# Altium PCB VCU_LAYOUT.PcbDoc (part 2 of 2)
Units mm, origin at the board's own origin, x right, y up, seen from the top; angles counter-clockwise.
Board outline 150 x 110 mm, 2 copper layers (Top Layer, Bottom Layer); 190 components, 112 nets, 718 pads, 126 vias.
Unrouted connection lines stored in the file: 281.
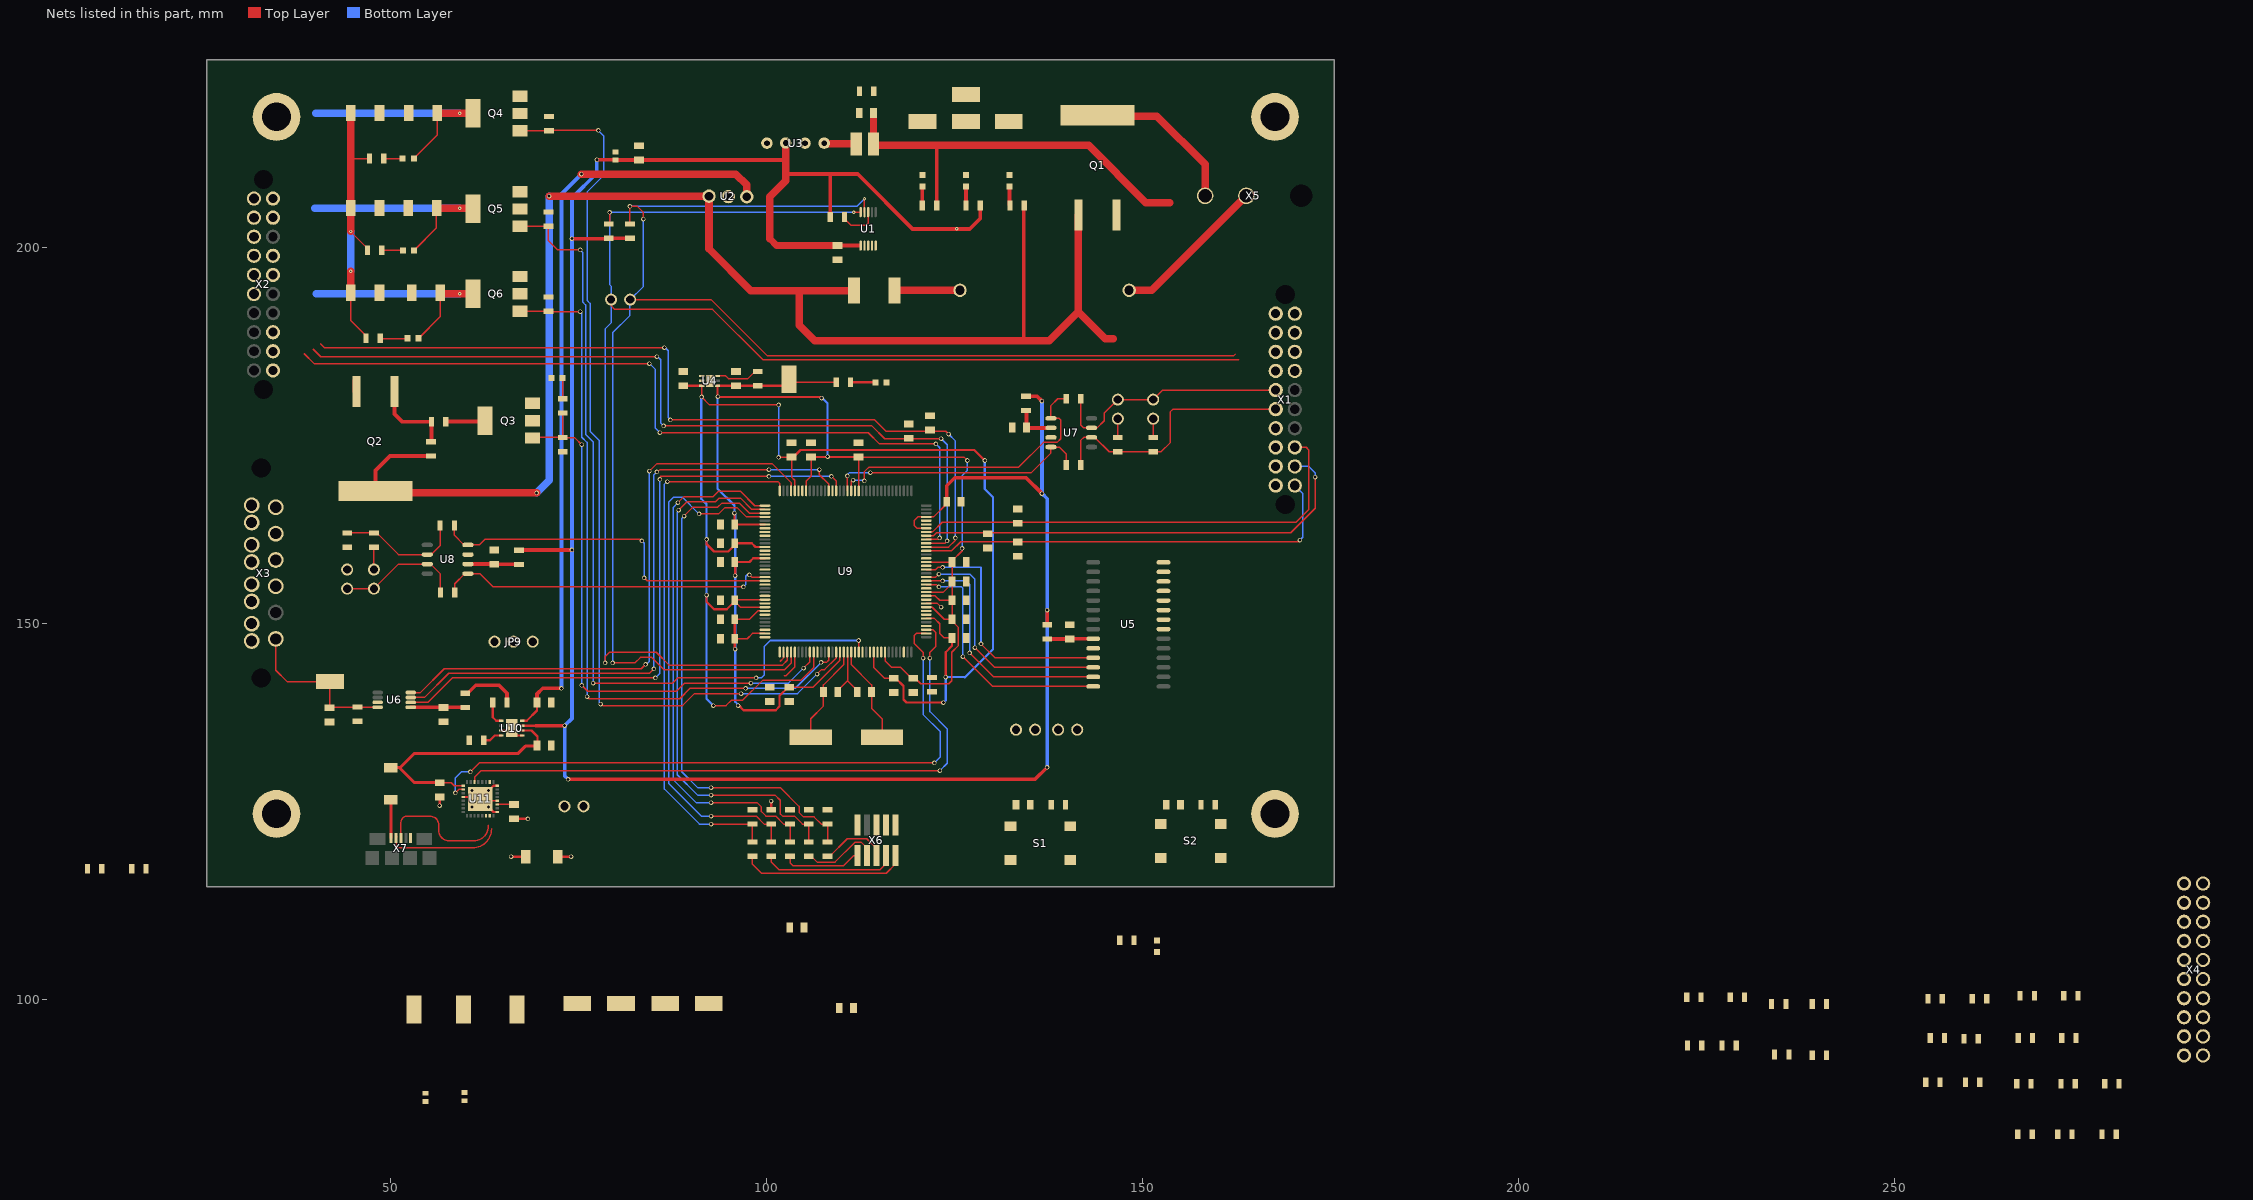
[diagram p2: the nets of this part, all layers, seen from the top]

## Part data (continued)
U9: "ARM CORTEX R4 LOCK STEP HERCULES MCU", Case/Package=LQFP, Frequency=160MHz, Manufacturer="Texas Instruments", Max Operating Temperature=125°C, Min Operating Temperature=-40°C, Supplier Part Number 1=296-47200-ND, ComponentLink1Description=http://www.ti.com/lit/pdf/spnu515, ComponentLink1URL=http://www.ti.com/lit/pdf/spnu515, ComponentLink2Description=http://www.ti.com/lit/gpn/tms570ls1224, ComponentLink2URL=http://www.ti.com/lit/gpn/tms570ls1224, ComponentLink3Description=http://www.ti.com/general/docs/lit/getliterature.tsp?genericPartNumber=TMS570LS1224&&fileType=pdf, ComponentLink3URL=http://www.ti.com/general/docs/lit/getliterature.tsp?genericPartNumber=TMS570LS1224&&fileType=pdf, Core Architecture=ARM, Density=1310720B, Interface=I2C,SPI,CAN,UART,USART,LIN,SCI,EBI/EMI, Lead Free="Lead Free", Manufacturer Part Number=TMS5701224CPGEQQ1, Max Frequency=160MHz, Memory Size=1.25MB, Memory Type=FLASH, Number of GPIO=64, Number of I/Os=64, Number of Pins=144, Number of Programmable I/O=64, Number of Timers/Counters=2, Oscillator Type=External, Packaging=Tray, Peripherals=POR,PWM,WDT,DMA, Pricing 1="1=22.12, 10=20.402, 100=17.4222, 500=15.8176 (USD)", RAM Size=192KB, Stock 1=113, Supplier 1=Digi-Key, Watchdog Timer=Yes
U10: "IC OR CTRLR SRC SELECT 8SON", Case/Package=TSSOP, Current - Output 2=1.25A, Manufacturer="Texas Instruments", Max Input Voltage=5.5V, Max Operating Temperature=85°C, Max Power Dissipation=2.5W, Max Supply Current=55uA, Min Input Voltage=2.8V, Min Operating Temperature=-40°C, On-State Resistance=150mR, Package Quantity=3000, Supplier Part Number 1=296-23394-1-ND, ComponentLink1Description=https://datasheet.ciiva.com/15109/getdatasheetpartid-221489-15109265.pdf, ComponentLink1URL=https://datasheet.ciiva.com/15109/getdatasheetpartid-221489-15109265.pdf, ComponentLink2Description=https://datasheet.ciiva.com/1960/tps2115a-1960792.pdf, ComponentLink2URL=https://datasheet.ciiva.com/1960/tps2115a-1960792.pdf, ComponentLink3Description=https://datasheet.ciiva.com/3232/tps2115a-3232536.pdf, ComponentLink3URL=https://datasheet.ciiva.com/3232/tps2115a-3232536.pdf, ComponentLink4Description=https://datasheet.ciiva.com/1960/tps2115a-1960793.pdf, ComponentLink4URL=https://datasheet.ciiva.com/1960/tps2115a-1960793.pdf, ComponentLink5Description=https://datasheet.ciiva.com/1960/tps2115a-1960794.pdf, ComponentLink5URL=https://datasheet.ciiva.com/1960/tps2115a-1960794.pdf, Lead Free="Lead Free", Manufacturer Part Number=TPS2115ADRBR, Max Output Current=1.25A, Number of Inputs=2, Number of Outputs=1, Number of Pins=8, Operating Supply Current=55uA, Operating Supply Voltage=5.5V, Output Current=1.25A, Packaging="Tape and Reel", Pricing 1="1=2.01, 10=1.801, 100=1.448, 500=1.1897, 1000=0.9857 (USD)", Radiation Hardening=No, REACH SVHC="No SVHC", Stock 1=13497, Supplier 1=Digi-Key, Turn-Off Delay Time=5ms, Turn-On Delay Time=1ms, Weight=0.000847oz
U11: library part FT232RQ-REEL, "IC USB FS SERIAL UART 32-QFN", Case/Package="QFN EP", Manufacturer=FTDI, Max Operating Temperature=85°C, Max Supply Voltage=5.25V, Min Operating Temperature=-40°C, Min Supply Voltage=3.3V, Operating Supply Current=15mA, Operating Supply Voltage=5V, Package Quantity=6000, Supplier Part Number 1=768-1008-1-ND, ComponentLink1Description=https://datasheet.ciiva.com/1505/1647396-1505445.pdf, ComponentLink1URL=https://datasheet.ciiva.com/1505/1647396-1505445.pdf, ComponentLink2Description=https://datasheet.ciiva.com/1787/ds-ft232r-1787041.pdf, ComponentLink2URL=https://datasheet.ciiva.com/1787/ds-ft232r-1787041.pdf, ComponentLink3Description=https://datasheet.ciiva.com/1787/ds-ft232r-1787042.pdf, ComponentLink3URL=https://datasheet.ciiva.com/1787/ds-ft232r-1787042.pdf, ComponentLink4Description=https://datasheet.ciiva.com/16438/ds-ft232r-16438555.pdf, ComponentLink4URL=https://datasheet.ciiva.com/16438/ds-ft232r-16438555.pdf, ComponentLink5Description=https://datasheet.ciiva.com/15150/getdatasheetpartid-644721-15150509.pdf, ComponentLink5URL=https://datasheet.ciiva.com/15150/getdatasheetpartid-644721-15150509.pdf, ComponentLink6Description=https://datasheet.ciiva.com/4787/ds-ft232r-4787663.pdf, ComponentLink6URL=https://datasheet.ciiva.com/4787/ds-ft232r-4787663.pdf, ComponentLink7Description=https://datasheet.ciiva.com/26841/ft232rq-reel-26841082.pdf, ComponentLink7URL=https://datasheet.ciiva.com/26841/ft232rq-reel-26841082.pdf, Data Rate=12Mbps, Interface=UART, Lead Free="Lead Free", Length=5mm, Manufacturer Part Number=FT232RQ-REEL, Mount="Surface Mount", Number of Channels=1, Number of Pins=32, Packaging="Tape and Reel", Pricing 1="1=4.5, 10=4.05, 100=3.65, 250=3.25, 500=2.85, 1000=2.65, 2500=2.35 (USD)", Radiation Hardening=No, Stock 1=97831, Supplier 1=Digi-Key, Weight=0.006653oz, Width=5mm
X1 X2 X4: library part 0346916200, "CONN_20Positions Molex Stac64 Header, Shrouded Connector 0.100\" (2.54mm) Through Hole, Right Angle Tin", Case/Package=100, Colour=Black, Manufacturer=Molex, Package Quantity=560, ComponentLink1Description=https://datasheet.ciiva.com/29142/987651-0141-29142848.pdf, ComponentLink1URL=https://datasheet.ciiva.com/29142/987651-0141-29142848.pdf, Connector Type="Male Pin", Contact Plating=Tin, Manufacturer Part Number=0346916200, Number of Positions=20, Number of Rows=2, Packaging=Tray, Pitch=0.1inch, Pricing 1="1=3.07, 10=2.946, 100=2.4546, 500=2.0864, 1000=1.7796, 5000=1.5955 (USD)", Row Spacing=0.1inch, Stock 1=334, Supplier 1=Digi-Key, Supplier Part Number 1=WM10445-ND, Termination=Solder
X3: library part 0346960101, "CONN_10Positions Molex Stac64 Thru-Hole Tray", Colour=Grey, Housing Colour=Natural, Manufacturer=Molex, Max Operating Temperature=100°C, Min Operating Temperature=-40°C, Package Quantity=560, ComponentLink1Description=https://datasheet.ciiva.com/6844/346960101-sd-6844161.pdf, ComponentLink1URL=https://datasheet.ciiva.com/6844/346960101-sd-6844161.pdf, ComponentLink2Description=https://datasheet.ciiva.com/10081/0346960101-pcb-headers-10081642.pdf, ComponentLink2URL=https://datasheet.ciiva.com/10081/0346960101-pcb-headers-10081642.pdf, Connector Type="Male Pin", Contact Material=Copper, Contact Plating=Tin, Fastening Type=Latch, Gender=Male, Housing Material=Thermoplastic, Length=34.04mm, Manufacturer Part Number=0346960101, Mount="Through Hole", Number of Contacts=10, Number of Positions=10, Number of Rows=2, Orientation="Right Angle", Packaging=Tray, Pitch=2.54mm, Pricing 1="1=2.65, 10=2.54, 100=2.1164, 500=1.7989, 1000=1.5344, 5000=1.3757 (USD)", Row Spacing=0.248inch, Stock 1=1144, Supplier 1=Digi-Key, Supplier Part Number 1=WM14546-ND, Termination=Solder
X5: "CONN_2Position_MEGAFIT Molex Through Hole, Right Angle Tin", Colour=Black, Manufacturer=Molex, Supplier Part Number 1=WM11969-ND, ComponentLink1Description=http://www.molex.com/pdm_docs/ps/PS-76823-100.pdf, ComponentLink1URL=http://www.molex.com/pdm_docs/ps/PS-76823-100.pdf, Connector Type="Male Pin", Contact Plating=Tin, Fastening Type=Ramp, Manufacturer Part Number=0768250002, Mount="Through Hole", Number of Positions=2, Number of Rows=2, Packaging=Tray, Pricing 1="1=1.08, 10=0.946, 25=0.89, 50=0.853, 100=0.816, 250=0.7418, 500=0.6676, 1000=0.5934, 2500=0.5378 (USD)", Row Spacing=0.224inch, Stock 1=2862, Supplier 1=Digi-Key, Termination=Solder
X6: "CONN_JTAG_10pin .050 Connector Dual Header 10 Position Surface Mount", Colour=Black, Manufacturer=Samtec, Max Current Rating=1.75A, Max Operating Temperature=125°C, Min Operating Temperature=-55°C, Package Quantity=1, Supplier Part Number 1=SAM8796-ND, ComponentLink1Description=https://datasheet.ciiva.com/19461/2046846-19461026.pdf, ComponentLink1URL=https://datasheet.ciiva.com/19461/2046846-19461026.pdf, ComponentLink2Description=https://datasheet.ciiva.com/738/ftsh-1xx-xx-xxx-dv-xxx-mkt-738998.pdf, ComponentLink2URL=https://datasheet.ciiva.com/738/ftsh-1xx-xx-xxx-dv-xxx-mkt-738998.pdf, ComponentLink3Description=https://datasheet.ciiva.com/10245/ftsh-mt-10245273.pdf, ComponentLink3URL=https://datasheet.ciiva.com/10245/ftsh-mt-10245273.pdf, ComponentLink4Description=https://datasheet.ciiva.com/16657/ftsh-mt-16657371.pdf, ComponentLink4URL=https://datasheet.ciiva.com/16657/ftsh-mt-16657371.pdf, ComponentLink5Description=https://datasheet.ciiva.com/15195/getdatasheetpartid-133463-15195260.pdf, ComponentLink5URL=https://datasheet.ciiva.com/15195/getdatasheetpartid-133463-15195260.pdf, Connector Type="Male Pin", Contact Material=Bronze,Copper, Contact Mating Length=0.12inch, Contact Plating=Nickel,Gold, Depth=3.43mm, Height=3.3mm, Housing Colour=Black, Housing Material=Polymer, Lead Free="Lead Free", Length=15.2mm, Manufacturer Part Number=FTSH-105-01-F-DV-K, Mount="Surface Mount", Number of Contacts=10, Number of Positions=10, Number of Rows=2, Orientation=Straight, Packaging=Rail/Tube, Pitch=1.27mm, Pricing 1="1=2.9, 10=2.784, 100=2.32, 500=1.972, 1000=1.682, 5000=1.508 (USD)", Radiation Hardening=No, Row Spacing=0.05inch, Stock 1=18199, Supplier 1=Digi-Key, Termination=Solder
X7: "CONN_USB - micro B USB 2.0 Receptacle Connector 5 Position Surface Mount, Right Angle, Horizontal", Colour=Black, Current Rating=1.8A, Flammability Rating="UL94 V-0", Insulation Resistance=1GR, Manufacturer="Amphenol FCI", Max Operating Temperature=85°C, Max Voltage Rating (AC)=100V, Min Operating Temperature=-55°C, Package Quantity=1400, Supplier Part Number 1=609-4613-1-ND, ComponentLink1Description=https://datasheet.ciiva.com/26853/getdatasheetpartid-418041-26853891.pdf, ComponentLink1URL=https://datasheet.ciiva.com/26853/getdatasheetpartid-418041-26853891.pdf, ComponentLink2Description=https://datasheet.ciiva.com/851/10118192-851112.pdf, ComponentLink2URL=https://datasheet.ciiva.com/851/10118192-851112.pdf, ComponentLink3Description=https://datasheet.ciiva.com/4598/10118192ac-197249-4598796.pdf, ComponentLink3URL=https://datasheet.ciiva.com/4598/10118192ac-197249-4598796.pdf, Connector Type=USB,Receptacle, Contact Material="Copper Alloy", Contact Plating=Nickel,Gold, Depth=5.57mm, Gender=Receptacle, Housing Material=Polymer, Lead Free="Lead Free", Length=7.86mm, Manufacturer Part Number=10118192-0001LF, Mount="Surface Mount,Horizontal", Number of Contacts=5, Number of Ports=1, Number of Terminals=5, Orientation="Right Angle", Packaging="Tape and Reel", Pitch=0.65mm, Pricing 1="1=0.46, 10=0.437, 25=0.3744, 50=0.318, 100=0.3056, 250=0.2744, 500=0.262 (USD)", Radiation Hardening=No, REACH SVHC="No SVHC", Stock 1=197826, Supplier 1=Digi-Key, Termination=Solder, USB Standard="USB 2.0", Voltage Rating=100V
XTAL1: "XTAL 16MHz ±30ppm Crystal 18pF 40 Ohm -40°C ~ 85°C  Surface Mount HC49/US", ESR (Equivalent Series Resistance)=40R, Frequency=16MHz, Frequency Stability=30ppm, Load Capacitance=18pF, Manufacturer=Abracon, Max Operating Temperature=85°C, Min Operating Temperature=-40°C, Package Quantity=1000, Supplier Part Number 1=535-9875-1-ND, ComponentLink1Description=https://datasheet.ciiva.com/854/abls2-854400.pdf, ComponentLink1URL=https://datasheet.ciiva.com/854/abls2-854400.pdf, ComponentLink2Description=https://datasheet.ciiva.com/854/abls2-854401.pdf, ComponentLink2URL=https://datasheet.ciiva.com/854/abls2-854401.pdf, ComponentLink3Description=https://datasheet.ciiva.com/15116/getdatasheetpartid-719900-15116780.pdf, ComponentLink3URL=https://datasheet.ciiva.com/15116/getdatasheetpartid-719900-15116780.pdf, ComponentLink4Description=https://datasheet.ciiva.com/854/abls2-854399.pdf, ComponentLink4URL=https://datasheet.ciiva.com/854/abls2-854399.pdf, Depth=4.8mm, Frequency Tolerance=30ppm, Height=0.13inch, Lead Free="Lead Free", Length=11.05mm, Manufacturer Part Number=ABLS2-16.000MHZ-D4Y-T, Mount="Surface Mount", Packaging="Tape and Reel", Pricing 1="1=0.46, 10=0.385, 50=0.3466, 100=0.308, 500=0.2926 (USD)", REACH SVHC=Unknown, Series Resistance=40R, Stock 1=14083, Supplier 1=Digi-Key, Termination=SMD/SMT, Tolerance=30ppm, Width=0.185inch
Z1 Z2 Z3: library part SMBJ5349B-TP, "DIODE ZENER 12V 5W DO214AA", Case/Package=SMB, Forward Voltage=1.2V, Manufacturer=MCC, Max Operating Temperature=150°C, Max Power Dissipation=5W, Max Reverse Leakage Current=2uA, Min Operating Temperature=-55°C, Package Quantity=3000, Supplier Part Number 1=SMBJ5349B-TPMSDKR-ND, Test Current=100mA, Tolerance=5%, Zener Current=395mA, ComponentLink1Description=https://datasheet.ciiva.com/894/smbj5338b-smbj5388bsmb-894182.pdf, ComponentLink1URL=https://datasheet.ciiva.com/894/smbj5338b-smbj5388bsmb-894182.pdf, ComponentLink2Description=https://datasheet.ciiva.com/894/smbj5338b-smbj5388bsmb-894183.pdf, ComponentLink2URL=https://datasheet.ciiva.com/894/smbj5338b-smbj5388bsmb-894183.pdf, ComponentLink3Description=https://datasheet.ciiva.com/894/smbj5338b-smbj5388bsmb-894184.pdf, ComponentLink3URL=https://datasheet.ciiva.com/894/smbj5338b-smbj5388bsmb-894184.pdf, ComponentLink4Description=https://datasheet.ciiva.com/17444/smbj5338b-smbj5388bsmb-17444298.pdf, ComponentLink4URL=https://datasheet.ciiva.com/17444/smbj5338b-smbj5388bsmb-17444298.pdf, ComponentLink5Description=https://datasheet.ciiva.com/26844/getdatasheetpartid-147575-26844923.pdf, ComponentLink5URL=https://datasheet.ciiva.com/26844/getdatasheetpartid-147575-26844923.pdf, Element Configuration=Single, Impedance=2.5R, Lead Free="Lead Free", Manufacturer Part Number=SMBJ5349B-TP, Mount="Surface Mount", Number of Pins=2, Packaging="Tape and Reel", Peak Reverse Current=2uA, Power Dissipation=5W, Pricing 1="1=0.65, 10=0.57, 25=0.5044, 100=0.4394, 250=0.3824, 500=0.3255, 1000=0.2604 (USD)", Radiation Hardening=No, Stock 1=41768, Supplier 1=Digi-Key, Voltage Tolerance=5%, Working Voltage=12V, Zener Voltage=12V

## Free pads (board coordinates)
  round 6.35 hole 3.81: ""(34.8,124.7) ""(34.8,217.4) ""(167.6,124.7) ""(167.6,217.4)

## Via types
v1: diameter 0.6, hole 0.4, Top Layer to Bottom Layer, 118 vias
v2: diameter 0.45, hole 0.2, Top Layer to Bottom Layer, 8 vias

## Nets (pads, with @x,y where several pads share a name; then routed paths per layer and width w, separated by ;. In a path a pad name is that pad's centre, name@x,y a point inside that pad or via, vN(x,y) a via of type N, cw(c..) or ccw(c..) an arc to the next point about the centre after c; other vN are vias at no path point)
3V3_SW: L1.1 U3.4 | length 4.3
  Top Layer w1: U3.4@107.65,213.9 107.75,213.8 L1.1@111.91,213.8 L1.1@111.901,213.791
12V_GATE: Q2.1 R20.1 R21.2 | length 11
  Top Layer w0.5: Q2.1@50.5,180.89 50.5,177.9 51.56,176.84 R21.2@55.41,176.84 55.41,174.24 R20.1@55.36,174.19
24V_GND: Q1.4 X5.2 | length 21
  Top Layer w1: Q1.4@144.2,217.5 151.9,217.5 158.3,211.1 X5.2@158.3,206.9
24V_IN: F1.1 X5.1 | length 20.8
  Top Layer w1: F1.1@148.205,194.335 151.235,194.335 X5.1@163.8,206.9
24V_MC: Q2.3 X3.7 | length 1.4
  Top Layer w1: Q2.3@45.42,180.89 Q2.3@45.42,182.3
24V_SENSE: F1.2 R5.1 U1.8 U1.10 | length 8.7
  Top Layer w1: R5.1@117,194.335 F1.2@125.705,194.335
+1V2: C18.2 C19.2 C20.2 C21.2 C22.2 C23.2 C24.2 C25.2 C26.2 C27.2 C28.2 C29.2 C37.2 C41.2 R45.2 R86.2 TP5.1 U4.1 U9.17 U9.29 U9.45 U9.48 U9.49 U9.57 U9.87 U9.101 U9.114 U9.123 U9.137 U9.143 | length 212.9
  Top Layer w0.2: C27.2@95.75,148 97.4,148 98.095,148.695 U9.143@99.765,148.695 ; C26.2@95.75,150.6 97.7,150.6 98.795,151.695 U9.137@99.765,151.695 ; C28.2@102.85,141.55 C28.2@103,141.55 106.15,141.55 109.74,145.14 U9.17@109.74,146.22 ; TP5.1@103.05,182.4 103.35,182.1 R86.2@109.25,182.1 ; U9.101@105.24,167.67 105.24,168.94 105.9,169.6 C23.2@105.9,172.15 ; U9.87@112.24,167.67 112.24,172.11 C22.2@112.2,172.15 126.25,172.15 v1(126.7,171.7) ; U9.29@115.74,146.22 115.74,145.06 116.6,144.2 117.8,144.2 119.25,142.75 C19.2@119.5,142.75 119.75,142.75 120.5,142 124.2,142 124.6,142.4 124.6,146.2 125.5,147.1 125.5,149.5 124.65,150.35 C20.2@124.65,150.6 ; U9.45@121.215,152.195 122.005,152.195 123.6,150.6 C20.2@124.65,150.6 ; U9.48@121.215,153.695 122.405,153.695 123,153.1 C29.2@124.65,153.1 ; U9.49@121.215,154.195 123.495,154.195 C21.2@124.65,155.35 ; U9.57@121.215,158.195 124.645,158.195 C41.2@124.65,158.2 ; v1(126,160) 126,159.7 124.65,158.35 C41.2@124.65,158.2 ; C20.2@124.65,150.6 C29.2@124.65,153.1 ; C29.2@124.65,153.1 C21.2@124.65,155.35 ; C21.2@124.65,155.35 C21.2@124.65,155.6 C41.2@124.65,158.2
  Top Layer w0.3: v1(95.7,164.7) 95.7,163.25 C24.2@95.75,163.2 95.755,163.195 U9.114@99.765,163.195 ; C26.2@95.75,150.6 C27.2@95.75,148 95.75,146.65 v1(95.8,146.6) ; v1(95.8,156.4) 95.8,157.95 95.85,158 95.7,158.15 C25.2@95.75,158.2 97.7,158.2 98.195,158.695 U9.123@99.765,158.695 ; v1@96.3,139.1 96.9,138.5 101.2,138.5 101.7,139 101.7,140.4 C28.2@102.85,141.55 ; TP5.1@102.95,182.5 103.05,182.4 102.3,181.65 R45.2@98.8,181.65 C18.2@95.9,181.65 U4.1@93.45,181.65 93.45,180.15 107.25,180.15 v1@107.3,180.1 ; C23.2@105.9,172.15 111.65,172.15 111.846,172.346 112.004,172.346 C22.2@112.2,172.15
  Bottom Layer w0.2: v1(126,160) 126,169.7 126.7,170.4 v1(126.7,171.7)
  Bottom Layer w0.3: v1@93.45,180.15 93.45,167.95 95.7,165.7 v1(95.7,164.7) 95.85,164.55 95.8,164.5 v1(95.8,156.4) v1(95.8,146.6) 95.8,139.6 v1@96.3,139.1 ; v1@107.3,180.1 108.1,179.3 v1(108.1,172.2) v1@108.1,172.15
  other v1: 96.2,139.1 107.3,180 93.5,180.2
+3V3: C2.2 C17.2 C31.2 C32.2 C33.2 C34.2 C35.2 C36.2 C38.2 D12.1 L1.2 R3.2 R30.2 R31.2 R32.2 R34.2 R37.2 R38.2 R40.2 R41.2 R51.2 R52.2 R55.2 R58.2 R59.2 R60.2 R65.2 R66.2 R67.2 R68.2 R70.2 R74.2 R75.2 TP3.1 U4.4 U4.6 U9.10 U9.26 U9.42 U9.104 U9.120 U9.134 U9.136 X6.1 | length 254.4
  Top Layer w0.2: U4.6@91.35,181.65 v1(91.35,180.15) 92.4,179.1 v1(101.6,179.1) ; 92,152.9 92.05,152.85 ; v1(92.9,139.1) 94.6,139.1 95.3,139.8 96.788,139.8 99.488,142.5 104.6,142.5 106.24,144.14 U9.10@106.24,146.22 ; C34.2@95.65,153.1 95.745,153.195 U9.134@99.765,153.195 ; C32.2@95.75,160.45 C32.2@95.75,160.7 ; C34.2@95.9,153.1 95.9,152.8 96.505,152.195 U9.136@99.765,152.195 ; v1(101.6,172.1) 103.25,172.1 C33.2@103.3,172.15 ; C33.2@103.55,172.15 C33.2@103.3,172.15 ; U9.104@103.74,167.67 103.74,169.06 103.3,169.5 C33.2@103.3,172.15 ; U9.26@114.24,146.22 114.24,144.16 115.65,142.75 C36.2@116.9,142.75 ; U9.42@121.215,150.695 122.305,150.695 123,150 123,148.7 123.6,148.1 C31.2@124.65,148.1
  Top Layer w0.3: C17.2@88.9,181.65 U4.6@91.35,181.65 ; 92,152.9 v1(92,153.8) ; v1(92,161.2) 92,160.6 93,159.6 94.9,159.6 C32.2@95.75,160.45 ; 92.05,152.85 92.4,152.5 93,151.9 94.7,151.9 C34.2@95.775,152.975 ; C32.2@95.75,160.7 98,160.7 98.505,160.195 U9.120@99.765,160.195 ; C33.2@103.55,172.15 104.5,173.1 127.6,173.1 v1(129,171.7) ; C36.2@116.9,142.75 117.15,142.75 118.2,141.7 118.2,139.9 118.6,139.5 v1(123.5,139.5) ; v1(123.8,142.9) 123.8,146.2 124.65,147.05 C31.2@124.65,148.1
  Top Layer w0.5: R3.2@122.6,205.6 122.6,213.5 122.7,213.6
  Top Layer w0.9: L1.2@114.2,213.8 C2.2@114.2,217.9
  Top Layer w1: L1.2@114.2,213.8 114.4,213.6 122.7,213.6 142.8,213.6 150.419,205.981 153.609,205.981
  Bottom Layer w0.2: v1(101.6,172.1) v1(101.6,179.1)
  Bottom Layer w0.3: v1@91.3,180.1 91.3,166.6 92,165.9 v1(92,161.2) v1(92,153.8) 92,140 v1(92.9,139.1) ; v1(123.5,139.5) 123.8,139.8 v1(123.8,142.9) 126.3,142.9 126.35,142.85 130.1,146.6 130.1,166.8 129,167.9 v1(129,171.7)
+5V: C1.2 C3.2 C4.2 C30.2 R2.2 R4.2 R6.2 R7.2 R8.2 R9.2 R10.2 R15.2 R39.1 U1.6 U3.2 U9.66 U9.69 U10.7 X1.9 X1.19 X2.1 X3.9 | length 342.2
  Top Layer w0.2: U9.66@121.22,162.7 U9.66@121.215,162.695 120.005,162.695 119.6,163.1 119.6,163.7 120.095,164.195 U9.69@121.215,164.195 122.195,164.195 123.95,165.95 C30.2@123.95,166.2
  Top Layer w0.3: U10.7@67.5,136.425 69.275,136.425
  Top Layer w0.5: R9.2@59.9,140.75 60.25,140.75 61.3,141.8 64.4,141.8 65.45,140.75 R39.1@65.45,139.5 ; R15.2@67.06,159.76 67.12,159.7 67.22,159.8 67.32,159.7 67.42,159.8 v1(74.1,159.8) ; 69.275,136.425 v1(73.125,136.425) ; v1(73.6,129.3) 135.7,129.3 v1(137.3,130.9) ; v1(74.1,201.2) 78.95,201.2 R6.2@79,201.25 R7.2@81.8,201.25 ; v1(77.4,211.7) 79.85,211.7 C3.2@79.9,211.65 C4.2@83,211.65 102.475,211.65 102.525,211.7 ; 102.525,209.8 108.4,209.8 ; R4.2@108.45,204.1 108.45,209.75 108.4,209.8 ; C1.2@109.4,200.3 112.321,200.3 ; C30.2@123.95,166.2 123.95,168.35 125,169.4 134.5,169.4 v1(136.6,167.3) ; R2.2@128.4,205.6 128.4,203.9 127,202.5 v2(125.3,202.5) 119.4,202.5 112.1,209.8 108.4,209.8 ; R10.2@134.5,180.25 135.95,180.25 v1(136.6,179.6) ; R8.2@137.3,149.85 v1(137.3,151.8)
  Top Layer w0.9: 100.4,201.2 101.3,200.3 C1.2@109.4,200.3
  Top Layer w1: 100.4,201.2 100.375,201.225 100.375,206.775 102.525,208.925 102.525,209.8 102.525,211.7 U3.2@102.525,213.925
  Bottom Layer w0.5: v1(73.6,129.3) 73.125,129.775 v1(73.125,136.425) 74.1,137.4 v1(74.1,159.8) v1(74.1,201.2) 74.1,206.6 77.4,209.9 v1@77.4,211.6 ; v1(136.6,179.6) v1(136.6,167.3) 137.3,166.6 v1(137.3,151.8) v1(137.3,130.9)
+5V_BAT: C46.2 TP2.1 U2.3 U10.8 | length 102
  Top Layer w0.3: U10.8@67.5,137.075 68.075,137.075 69.45,138.45 C46.2@69.45,139.5
  Top Layer w0.5: C46.2@69.45,139.5 69.45,140.65 70.2,141.4 v1(72.7,141.4)
  Top Layer w1: v1(75.35,209.8) 95.9,209.8 97.35,208.35 U2.3@97.35,206.775
  Bottom Layer w0.5: v1(72.7,141.4) 72.7,207.15 v1(75.35,209.8)
+5V_USB: C44.2 C45.2 C47.1 FB1.2 U10.6 U11.1 U11.19 | length 36
  Top Layer w0.2: C44.2@56.4,128.85 58.05,128.85 58.45,128.45 U11.1@59.65,128.45 ; U11.19@64.15,125.95 C45.2@66.4,125.95
  Top Layer w0.3: U10.6@67.5,135.775 68.725,135.775 69.5,135 C47.1@69.5,133.7
  Top Layer w0.4: FB1.2@50,130.84 51.16,130.84 ; C44.2@56.4,128.85 53.15,128.85 51.16,130.84 ; C47.1@69.5,133.7 67.9,133.7 66.9,132.7 53.1,132.7 51.24,130.84 51.16,130.84
+24V: D6.2 D8.2 D10.2 Q1.1 Q2.4 R1.2 R5.2 R20.2 R24.2 R25.2 R26.2 TP1.1 U1.9 U2.1 X1.17 X2.8 X2.11 X2.13 X2.15 | length 240.8
  Top Layer w0.15: U1.9@114,200.275 U1.9@114.021,200.254
  Top Layer w0.2: D10.2@44.66,193.86 44.66,190.34 46.71,188.29 R26.2@46.71,187.96 ; v2(44.66,202.16) 46.91,199.91 R25.2@46.91,199.66 ; 44.66,211.86 R24.2@47.16,211.86 R24.2@47.16,212.16
  Top Layer w0.5: Q2.4@47.96,167.64 47.96,170.36 49.89,172.29 R20.2@55.36,172.29 ; 134.2,187.6 R1.2@134.2,205.7
  Top Layer w1: D10.2@44.66,193.86 v2(44.66,196.86) ; v2(44.66,202.16) 44.66,211.86 D6.2@44.66,217.86 ; Q2.4@47.96,167.64 48.2,167.4 v1(69.4,167.4) ; v1(71.05,206.85) U2.1@92.325,206.85 92.325,199.875 97.9,194.3 104.3,194.3 ; R5.2@111.6,194.3 104.3,194.3 ; Q1.1@141.46,204.35 141.46,191.46 ; 146.1,187.9 145.02,187.9 141.46,191.46 ; 104.3,194.3 104.3,189.7 106.4,187.6 134.2,187.6 137.6,187.6 141.46,191.46
  Bottom Layer w1: v2(44.66,196.86) v2(44.66,202.16) ; v1(69.4,167.4) 71.05,169.05 v1(71.05,206.85)
AD1IN_0: C10.2 TP6.1 U9.60 X1.11 | length 58.1
  Top Layer w0.2: U9.60@121.215,159.695 124.595,159.695 125.8,160.9 170.7,160.9 v1(170.9,161.1)
  Bottom Layer w0.2: X1.11@170.24,168.37 171.3,167.31 171.3,161.5 v1(170.9,161.1)
AD1IN_7: C12.2 TP10.1 U9.61 X2.9 | length 112.4
  Top Layer w0.2: 40.7,187.2 41.2,186.7 v1(86.4,186.7) ; v1(87.2,177.1) 114.357,177.1 115.857,175.6 123.8,175.6 v1(124.2,175.2) ; U9.61@121.215,160.195 124.195,160.195 125.1,161.1 v1(125.1,161.4)
  Bottom Layer w0.2: v1(86.4,186.7) 86.5,186.7 86.9,186.3 86.9,177.4 v1(87.2,177.1) ; v1(124.2,175.2) 125.1,174.3 v1(125.1,161.4)
AD1IN_16: C16.2 TP7.1 U9.58 X4.1
AD1IN_18: C14.2 TP11.1 U9.62 X2.4 | length 110.3
  Top Layer w0.2: 39.7,186.5 40.7,185.5 v1(85.4,185.5) ; v1(86.3,176.3) 114,176.3 115.7,174.6 v1(123.2,174.6) ; U9.62@121.215,160.695 123.695,160.695 v1(124,161)
  Bottom Layer w0.2: v1(85.4,185.5) 85.4,185.6 85.9,185.1 85.9,176.7 v1(86.3,176.3) ; v1(123.2,174.6) 124,173.8 v1(124,161)
AD1IN_19: C15.2 TP8.1 U9.63 X2.5 | length 108.1
  Top Layer w0.2: 38.5,185.9 39.8,184.6 v1(84.4,184.6) ; v1(85.8,175.4) 113.5,175.4 115,173.9 v1(122.5,173.9) ; U9.63@121.215,161.195 122.795,161.195 v1(123,161.4)
  Bottom Layer w0.2: v1(84.4,184.6) 85.2,183.8 85.2,176 v1(85.8,175.4) ; v1(122.5,173.9) 123,173.4 v1(123,161.4)
AD1IN_20: C11.2 TP12.1 U9.64 X1.12 | length 61
  Top Layer w0.2: U9.64@121.215,161.695 122.182,161.695 122.587,162.1 169.707,162.1 172.954,165.347 v1(172.954,169.5)
  Bottom Layer w0.2: X1.12@170.24,170.91 172.1,170.91 172.954,170.056 v1(172.954,169.5)
AD1IN_21: C13.2 TP9.1 U9.65 X1.13 | length 62
  Top Layer w0.2: U9.65@121.215,162.195 122.04,162.195 123.345,163.5 170.4,163.5 172.1,165.2 172.1,173.1 171.75,173.45 X1.13@170.24,173.45
ALERT: R4.1 U1.3 | length 5.8
  Top Layer w0.2: R4.1@110.35,204.6 R4.1@110.35,204.1 110.35,203.85 111.2,203 113.2,203 113.5,203.3 U1.3@113.5,204.725
CAN1_POWER: C8.2 R10.1 U7.2 | length 5.5
  Top Layer w0.5: R10.1@134.5,178.35 134.55,178.3 C8.2@134.55,176.1 134.615,176.035 U7.2@137.8,176.035
CAN2_POWER: C9.2 R15.1 U8.2 | length 6.6
  Top Layer w0.5: U8.2@60.26,157.925 C9.2@63.495,157.925 ; C9.2@63.76,157.91 67.01,157.91 R15.1@67.06,157.86
CAN_H1: JP1.2 JP2.2 R11.2 U7.7 X1.6 X3.2 X3.4 | length 32.2
  Top Layer w0.2: R11.2@141.75,179.9 141.75,176.45 142.165,176.035 U7.7@143.2,176.035 143.935,176.035 144.9,177 144.9,178 JP1.2@146.7,179.8 JP2.2@151.4,179.8 152.67,181.07 X1.6@167.7,181.07
CAN_H2: JP3.2 JP4.2 R16.2 U8.7 X4.20 | length 16.8
  Top Layer w0.2: JP4.2@44.2,154.66 JP3.2@47.76,154.66 51.025,157.925 U8.7@54.86,157.925 55.295,157.925 56.61,156.61 R16.2@56.61,154.16
CAN_L1: R12.1 R13.1 R14.2 U7.6 X1.5 X3.1 X3.3 | length 34.9
  Top Layer w0.2: R14.2@141.75,171.1 141.75,174.35 142.165,174.765 U7.6@143.2,174.765 143.635,174.765 145.55,172.85 R12.1@146.7,172.85 R13.1@151.4,172.85 152.45,172.85 153.7,174.1 153.7,178.2 154.03,178.53 X1.5@167.7,178.53
CAN_L2: R17.1 R18.1 R19.2 U8.6 X4.19 | length 16.7
  Top Layer w0.2: R18.1@44.2,162.05 44.21,162.06 R17.1@47.76,162.06 48.16,162.06 51.025,159.195 U8.6@54.86,159.195 55.395,159.195 56.56,160.36 R19.2@56.56,163.06
CTRL_EN: Q3.1 R22.2 R23.2 U9.9 | length 75.8
  Top Layer w0.2: Q3.1@68.85,174.7 68.91,174.76 R22.2@72.86,174.76 R22.2@72.86,174.86 ; R23.2@72.86,178.01 R22.2@72.86,174.86 ; v1(75.4,141.8) 76.19,141.01 88.01,141.01 89.1,142.1 v1(97.9,142.1) ; v1(75.4,173.8) 74.5,174.7 73.02,174.7 R22.2@72.86,174.86 ; v1(104.9,144.1) 105.74,144.94 U9.9@105.74,146.22
  Bottom Layer w0.2: v1(75.4,141.8) v1(75.4,173.8) ; v1(97.9,142.1) 102.9,142.1 v1(104.9,144.1)
DAC_OUTPUT: C6.2 R64.2 TP13.1 U6.8 X3.6 | length 22
  Top Layer w0.2: X3.6@34.7,147.975 34.7,143.8 36.2,142.3 TP13.1@41.9,142.3 41.86,142.26 C6.2@41.86,138.81 41.96,138.91 R64.2@45.56,138.91 45.585,138.885 U6.8@48.26,138.885
DAC_POWER: C7.2 R9.1 U6.1 | length 7.2
  Top Layer w0.5: U6.1@52.66,138.885 R9.1@59.9,138.885
DCAN1_RX: R14.1 U7.4 U9.90 | length 35.1
  Top Layer w0.2: U9.90@110.74,167.67 v1(110.74,169.652) ; v1(113.8,170.1) 135.2,170.1 137.8,172.7 U7.4@137.8,173.495 138.905,173.495 139.85,172.55 R14.1@139.85,171.1
  Bottom Layer w0.2: v1(110.74,169.652) 110.74,169.84 111,170.1 v1(113.8,170.1)
DCAN1_TX: R11.1 U7.1 U9.89 | length 40.3
  Top Layer w0.2: U9.89@111.24,167.67 111.24,168.94 111.4,169.1 v1(111.5,169.1) ; v1(113,169) 113,170.225 113.529,170.754 113.554,170.754 113.6,170.8 133.5,170.8 136.8,174.1 138.6,174.1 139.1,174.6 139.1,177.1 138.895,177.305 U7.1@137.8,177.305 137.8,179 138.7,179.9 R11.1@139.85,179.9
  Bottom Layer w0.2: v1(111.5,169.1) 112.9,169.1 v1(113,169)
DCAN2_RX: R19.1 U8.4 U9.129 | length 47.9
  Top Layer w0.2: R19.1@58.46,163.06 58.46,161.76 U8.4@59.755,160.465 ; U8.4@60.26,160.465 61.765,160.465 62.5,161.2 83.2,161.2 v1(83.4,161) ; v1(83.7,156.1) 84.105,155.695 U9.129@99.765,155.695
  Bottom Layer w0.2: v1(83.4,161) 83.7,160.7 v1(83.7,156.1)
DCAN2_TX: R16.1 U8.1 U9.128 | length 44.7
  Top Layer w0.2: R16.1@58.51,154.16 58.51,155.31 U8.1@59.855,156.655 ; U8.1@60.26,156.655 61.845,156.655 63.6,154.9 v1(96.9,154.9) ; v1(97.7,156.5) 98.005,156.195 U9.128@99.765,156.195
  Bottom Layer w0.2: v1(96.9,154.9) 97.2,155.2 97.2,156.3 97.4,156.5 v1(97.7,156.5)
FET_OUT: Q3.2 Q3.4 R21.1 | length 5.4
  Top Layer w0.5: R21.1@57.31,176.84 57.36,176.89 Q3.4@62.66,176.89
GIOB_0: R31.1 R35.2 U9.126 X4.6
GIOB_1: R41.1 R46.2 U9.133 X4.7
GIOB_2: R52.1 R56.2 U9.142 X4.8
GIOB_3: R32.1 R36.2 U9.1 X4.9
GND: C1.1 C2.1 C3.1 C4.1 C5.1 C6.1 C7.1 C8.1 C9.1 C10.1 C11.1 C12.1 C13.1 C14.1 C15.1 C16.1 C17.1 C18.1 C19.1 C20.1 C21.1 C22.1 C23.1 C24.1 C25.1 C26.1 C27.1 C28.1 C29.1 C30.1 C31.1 C32.1 C33.1 C34.1 C35.1 C36.1 C37.1 C38.1 C41.1 C42.1 C43.1 C46.1 C47.2 D1.2 D2.2 D3.2 D4.2 D11.2 FB2.2 pad. Q1.3 Q3.3 Q4.3 Q5.3 Q6.3 R22.1 R27.1 R28.1 R29.1 R35.1 R36.1 R40.1 R42.1 R46.1 R56.1 R61.1 R62.1 R63.1 R64.1 R71.1 R72.1 R73.1 R79.1 R80.1 R82.1 R85.1 S1.1 S2.1 TP4.1 U1.7 U2.2 U3.1 U3.3 U4.5 U4.7 U5.10 U6.7 U7.3 U8.3 U9.11 U9.21 U9.27 U9.28 U9.43 U9.44 U9.47 U9.50 U9.56 U9.67 U9.68 U9.88 U9.102 U9.103 U9.115 U9.121 U9.122 U9.135 U9.138 U9.144 U10.3 U10.5 U10.9 X1.7 X1.8 X1.10 X1.18 X1.20 X2.2 X2.10 X3.8 X3.10 X6.3 X6.5 X6.9 | length 6
  Top Layer w0.3: U10.3@64.7,135.775 66.075,135.775 66.1,135.8 66.775,135.125 U10.5@67.5,135.125 ; FB2.2@72.22,119 v1(74,119) ; R82.1@100.6,125.25 v1(100.6,126.4)
GPA0: R68.1 R73.2 U5.21 X4.3
GPA1: R60.1 R63.2 U5.22 X4.4
GPA2: R75.1 R80.2 U5.23 X4.5
GPA3: R67.1 R72.2 U5.24
GPA4: R59.1 R62.2 U5.25
GPA5: R74.1 R79.2 U5.26
GPA6: R66.1 R71.2 U5.27
GPA7: R58.1 R61.2 U5.28
GPIO_EX_POWER: C5.2 R8.1 U5.9 | length 6.1
  Top Layer w0.5: R8.1@137.3,147.95 C5.2@140.3,147.95 ; C5.2@140.3,148.05 140.355,147.995 U5.9@143.425,147.995
I2C_SCL: JP6.1 R6.1 U1.5 U9.3 X1.3 | length 209.9
  Top Layer w0.2: v1(78.5,144.8) 78.5,145.6 79.1,146.2 85.3,146.2 87,144.5 102.1,144.5 102.74,145.14 U9.3@102.74,146.22 ; R6.1@79,203.15 79.1,203.25 v1(79.1,204.7) ; JP6.1@79.3,193.1 79.3,192.3 79.8,191.8 92.8,191.8 99.5,185.1 162.8,185.1 ; v2(111.6,204.7) 112.475,204.7 U1.5@112.5,204.725
  Bottom Layer w0.2: v1(78.5,144.8) 78.5,189.2 79.3,190 JP6.1@79.3,193.1 79.3,194.9 79.1,195.1 v1(79.1,204.7) v2(111.6,204.7)
I2C_SDA: JP6.2 R7.1 U1.4 U9.4 X1.4 | length 209.6
  Top Layer w0.2: v1(79.5,144.8) 82.5,144.8 83.2,145.5 84.7,145.5 86.3,143.9 102.4,143.9 103.24,144.74 U9.4@103.24,146.22 ; R7.1@81.8,203.15 v1(81.8,205.5) 82.8,205.5 83.6,204.7 v1(83.6,203.8) ; JP6.2@81.84,193.1 92.6,193.1 100.1,185.6 162.1,185.6 162.3,185.8 ; U1.4@113,204.725 v2(113,206.5)
  Bottom Layer w0.2: v1(79.5,144.8) 79.5,188.7 81.8,191 81.8,193.06 JP6.2@81.84,193.1 83.6,194.86 v1(83.6,203.8) ; v1@81.8,205.532 112.032,205.532 v2(113,206.5)
ILIM: R42.2 U10.4 | length 2.6
  Top Layer w0.3: R42.2@62.35,134.5 63.2,134.5 63.825,135.125 U10.4@64.7,135.125
K1-: D5.2 Q4.2 Q4.4 X2.12 Z1.2 | length 30.9
  Top Layer w0.2: D5.2@53.06,211.86 56.16,214.96 Z1.2@56.16,217.86
  Top Layer w1: Z1.2@56.16,217.86 Q4.4@60.61,217.86
  Bottom Layer w1: 40,217.86 v2(59.16,217.86)
K1_EN: Q4.1 R27.2 U9.16 | length 123.8
  Top Layer w0.2: Q4.1@67.21,215.56 R27.2@71.06,215.56 71.22,215.4 71.42,215.6 v1(77.6,215.6) ; v1(77.9,139.3) 77.9,139.398 78.197,139.101 88.801,139.101 90.4,140.7 v1(96.6,140.7) ; v1(106.7,143.3) 107.3,143.9 107.7,143.9 109.24,145.44 U9.16@109.24,146.22
  Bottom Layer w0.2: v1(77.6,215.6) 78.3,214.9 78.3,209.6 76.1,207.4 76.1,193 76.5,192.6 76.5,175.6 77.7,174.4 77.7,139.5 v1(77.9,139.3) ; v1(96.6,140.7) 104.1,140.7 v1(106.7,143.3)
K2-: D7.2 Q5.2 Q5.4 X2.14 Z2.2 | length 30.9
  Top Layer w0.2: D7.2@53.11,199.66 56.06,202.61 Z2.2@56.06,205.26
  Top Layer w1: Z2.2@56.06,205.26 Q5.4@60.91,205.26
  Bottom Layer w1: 39.9,205.26 v2(59.16,205.26)
K2_EN: Q5.1 R28.2 U9.22 | length 110.2
  Top Layer w0.2: Q5.1@67.21,202.86 R28.2@70.96,202.86 70.96,200.94 72.2,199.7 v1(75.2,199.7) ; v1(76.9,142.1) 87.5,142.1 88.2,142.8 v1(98.6,142.8) ; U9.22@112.24,146.22 v1(112.24,147.76)
  Bottom Layer w0.2: v1(75.2,199.7) 75.5,199.4 75.5,192.8 75.9,192.4 75.9,175.2 76.9,174.2 v1(76.9,142.1) ; v1(98.6,142.8) 99.3,142.8 99.7,143.2 99.7,147 100.46,147.76 v1(112.24,147.76)
K3-: D9.2 Q6.2 Q6.4 X2.16 Z3.2 | length 30.5
  Top Layer w0.2: D9.2@53.71,187.96 56.56,190.81 Z3.2@56.56,193.86
  Top Layer w1: Z3.2@56.56,193.86 Q6.4@60.91,193.86
  Bottom Layer w1: 40.1,193.86 v2(59.16,193.86)
K3_EN: Q6.1 R29.2 U9.14 | length 95
  Top Layer w0.2: Q6.1@67.21,191.56 R29.2@70.96,191.56 71.02,191.5 v1(75.2,191.5) ; v1(76.1,140.3) 76.38,140.02 88.42,140.02 89.8,141.4 v1(97.2,141.4) ; v1(107.245,144.845) 107.945,144.845 108.24,145.14 U9.14@108.24,146.22
  Bottom Layer w0.2: v1(75.2,191.5) 75.4,191.3 75.4,174.8 76.1,174.1 v1(76.1,140.3) ; v1(97.2,141.4) 103.8,141.4 v1(107.245,144.845)
KELVIN_GND: C39.1 C40.1 U9.19 | length 7.5
  Top Layer w0.2: C39.1@109.25,140.9 110.75,142.4 ; U9.19@110.75,145.775 110.75,142.4 ; C40.1@112.05,140.9 112.05,141.1 110.75,142.4
LED_CTRL: D4.1 R23.1 | length 2.8
  Top Layer w0.2: R23.1@72.86,179.91 D4.1@72.86,182.76
LED_K1: D5.1 R24.1 | length 2.5
  Top Layer w0.2: R24.1@49.06,211.86 D5.1@51.56,211.86
LED_K2: D7.1 R25.1 | length 2.8
  Top Layer w0.2: R25.1@48.81,199.66 D7.1@51.61,199.66
LED_K3: D9.1 R26.1 | length 3.6
  Top Layer w0.2: R26.1@48.6,187.9 D9.1@52.2,187.9
MD_EN: R30.1 U9.2 X1.1 | length 1.4
  Top Layer w0.2: 101.8,145 102.24,145.44 U9.2@102.24,146.22
MD_RUN: R38.1 U9.5 X1.2 | length 3.9
  Top Layer w0.2: 102.3,143.1 102.6,143.1 103.74,144.24 U9.5@103.74,146.22
MIBSPI1_CLK: JP9.2 U6.3 U9.95 X4.14 | length 85.5
  Top Layer w0.2: U6.3@52.66,140.185 54.485,140.185 57.7,143.4 84.4,143.4 v1(85,144) ; v1(85.4,170.2) 85.4,170.1 85.8,170.5 v1(100.3,170.5) ; v1(107,170.5) 107,169.8 108.24,168.56 U9.95@108.24,167.67
  Bottom Layer w0.2: v1(85,144) 85,169.8 v1(85.4,170.2) ; v1(100.3,170.5) v1(107,170.5)
MIBSPI1_MISO: U9.94 X4.16
MIBSPI1_MOSI: JP9.3 U6.2 U9.93 X4.15 | length 85.9
  Top Layer w0.2: U6.2@52.66,139.535 54.935,139.535 58.2,142.8 v1(85.2,142.8) ; v1(85.8,169.2) 85.8,169.5 85.9,169.6 v1(100.3,169.6) ; v1(108.6,169.6) 109.24,168.96 U9.93@109.24,167.67
  Bottom Layer w0.2: v1(85.2,142.8) 85.8,143.4 v1(85.8,169.2) ; v1(100.3,169.6) v1(108.6,169.6)
MIBSPI1_NCS_0: JP9.1 U6.4 U9.105 X4.11 | length 80.2
  Top Layer w0.2: U6.4@52.66,140.835 53.935,140.835 57.1,144 83.3,144 v1(83.9,144.6) ; v1(84.4,170.3) 85.4,171.3 100.7,171.3 103.24,168.76 U9.105@103.24,167.67
  Bottom Layer w0.2: v1(83.9,144.6) 84,144.6 84.4,145 v1(84.4,170.3)
MIBSPI1_NCS_1: U9.130 X4.12
MIBSPI1_NCS_2: U9.40 X4.13
MIBSPI3_CLK: JP7.2 U5.12 U9.53 | length 32.9
  Top Layer w0.2: U9.53@121.215,156.195 122.495,156.195 v1(122.9,156.6) ; v1(127.7,146.8) 130.315,144.185 U5.12@143.425,144.185
  Bottom Layer w0.2: v1(122.9,156.6) 127.1,156.6 127.1,156.5 127.7,155.9 v1(127.7,146.8)
MIBSPI3_MISO: JP8.1 U5.14 U9.51 | length 33.2
  Top Layer w0.2: U9.51@121.215,155.195 122.595,155.195 v1(122.89,154.9) v1@122.9,154.9 ; v1(126.1,145.6) 130.055,141.645 U5.14@143.425,141.645
  Bottom Layer w0.2: v1(122.89,154.9) 125.9,154.9 126.1,154.7 v1(126.1,145.6)
MIBSPI3_MOSI: JP7.1 U5.13 U9.52 | length 32.8
  Top Layer w0.2: U9.52@121.215,155.695 121.22,155.7 v1(123.4,155.7) ; v1(127,146.1) 130.185,142.915 U5.13@143.425,142.915
  Bottom Layer w0.2: v1(123.4,155.7) 126.5,155.7 127,155.2 v1(127,146.1)
MIBSPI3_NCS_0: JP8.2 U5.11 U9.55 | length 33.3
  Top Layer w0.2: U9.55@121.215,157.195 122.495,157.195 122.8,157.5 v1(123.4,157.5) ; v1(128.5,147.3) 130.345,145.455 U5.11@143.425,145.455
  Bottom Layer w0.2: v1(123.4,157.5) 128.5,157.5 v1(128.5,147.3)
N2HET1_0: U9.25 X4.10
N2HET1_1: U9.23 X4.2
nERROR: R33.1 U9.117
NetD1_1: D1.1 R1.1 | length 2.5
  Top Layer w0.5: R1.1@132.3,205.7 D1.1@132.3,208.15
NetD2_1: D2.1 R2.1 | length 2.5
  Top Layer w0.5: R2.1@126.5,205.6 D2.1@126.5,208.15
NetD3_1: D3.1 R3.1 | length 2.7
  Top Layer w0.5: R3.1@120.7,205.4 D3.1@120.7,208.15
NetD6_1: D6.1 Z1.1
NetD8_1: D8.1 Z2.1
NetD10_1: D10.1 Z3.1
NetD11_1: D11.1 R86.1 | length 3.3
  Top Layer w0.3: R86.1@111.15,182.1 D11.1@114.45,182.1
NetD12_2: D12.2 R33.2
NetJP1_1: JP1.1 R12.2 | length 2.5
  Top Layer w0.2: R12.2@146.7,174.75 JP1.1@146.7,177.26
NetJP2_1: JP2.1 R13.2 | length 2.5
  Top Layer w0.2: R13.2@151.4,174.75 JP2.1@151.4,177.26
NetJP3_1: JP3.1 R17.2 | length 3
  Top Layer w0.2: JP3.1@47.76,157.2 R17.2@47.76,160.16
NetJP4_1: JP4.1 R18.2
NetR45_1: R45.1 U4.3 | length 5.9
  Top Layer w0.2: U4.3@93.45,182.95 94.55,182.95 94.9,182.6 97.5,182.6 98.45,183.55 R45.1@98.8,183.55
NetR85_2: R85.2 U9.34
nPORRST: C42.2 R34.1 S1.2 U9.46 | length 2.2
  Top Layer w0.2: U9.46@121.215,152.695 122.705,152.695 v1(123.2,152.2)
nRESET: R81.1 X6.10 | length 10.5
  Top Layer w0.2: R81.1@103.1,119.05 103.1,118.2 103.5,117.8 110.2,117.8 111.54,119.14 X6.10@112.06,119.14
nRESET_R: R70.1 R81.2 U9.109 | length 70.8
  Top Layer w0.2: v1(88.2,166.1) 89,166.9 92.9,166.9 93.6,167.6 96.5,167.6 98.405,165.695 U9.109@99.765,165.695 ; v1(92.6,126.2) 98.7,126.2 99.3,125.6 99.3,125 99.9,124.4 101.2,124.4 102.25,123.35 R70.1@103.1,123.35 R81.2@103.1,120.95
  Bottom Layer w0.2: v1(88.2,166.1) 87.586,165.486 87.586,129.214 90.6,126.2 v1(92.6,126.2)
nRST: C43.2 R37.1 S2.2 U9.116
OSCIN: C39.2 U9.18 XTAL1.1 | length 12.7
  Top Layer w0.2: XTAL1.1@105.85,134.9 105.85,137.35 107.55,139.05 C39.2@107.55,140.9 107.55,141.85 110.25,144.55 U9.18@110.25,145.775
OSCOUT: C40.2 U9.20 XTAL1.2 | length 12.6
  Top Layer w0.2: U9.20@111.25,145.775 111.25,144.55 113.95,141.85 C40.2@113.95,140.9 113.95,138.75 115.35,137.35 XTAL1.2@115.35,134.9
SCI_RX: JP5.1 U9.38 U11.2 X4.17 | length 88.2
  Top Layer w0.2: v1(58.6,127.5) 59.05,127.95 U11.2@59.65,127.95 ; v1(60.6,130.3) 61.8,131.5 v1(122.3,131.5) ; v1(120.8,145.4) 120.8,146.2 119.6,147.4 119.6,148.4 119.895,148.695 U9.38@121.215,148.695
  Bottom Layer w0.2: v1(58.6,127.5) 58.6,129.5 59.4,130.3 v1(60.6,130.3) ; v1(120.8,145.4) 120.8,137.927 123.1,135.627 123.1,132.3 v1(122.3,131.5)
SCI_TX: JP5.2 U9.39 U11.30 X4.18 | length 84.3
  Top Layer w0.2: U11.30@61.15,128.95 61.15,129.577 62.036,130.464 v1(123.036,130.464) ; U9.39@121.215,149.195 122.105,149.195 122.5,148.8 122.5,147 121.7,146.2 v1(121.7,145.4)
  Bottom Layer w0.2: v1(121.7,145.4) 121.7,138.3 124,136 124,131.427 v1(123.036,130.464)
STATUS: R39.2 U10.1 | length 3.3
  Top Layer w0.3: R39.2@63.55,139.5 63.55,137.55 64.025,137.075 U10.1@64.7,137.075
TCK: R76.1 X6.4 | length 17.8
  Top Layer w0.2: R76.1@100.6,119.05 100.6,118.3 101.6,117.3 115.1,117.3 115.87,118.07 X6.4@115.87,119.14
TCK_R: R76.2 R82.2 U9.112 | length 70.5
  Top Layer w0.2: v1(91,164.6) 93.6,164.6 94.4,165.4 96.1,165.4 97.305,164.195 U9.112@99.765,164.195 ; v1(92.6,124.4) 98.6,124.4 99.65,123.35 R82.2@100.6,123.35 R76.2@100.6,120.95
  Bottom Layer w0.2: v1(91,164.6) 88.8,166.8 87.6,166.8 87,166.2 87,128.7 91.3,124.4 v1(92.6,124.4)
TDI: R78.1 X6.8 | length 10.4
  Top Layer w0.2: R78.1@105.6,119.05 105.95,119.05 106.7,118.3 109.1,118.3 111.7,120.9 112.6,120.9 113.33,120.17 X6.8@113.33,119.14
TDI_R: R65.1 R78.2 U9.110 | length 71.6
  Top Layer w0.2: v1(88.3,165.1) 89.4,166.2 93.2,166.2 93.7,166.7 96.5,166.7 98.005,165.195 U9.110@99.765,165.195 ; v1(92.6,127.2) 101.1,127.2 101.8,126.5 101.8,124.7 102.1,124.4 103.7,124.4 104.75,123.35 R65.1@105.6,123.35 R78.2@105.6,120.95
  Bottom Layer w0.2: v1@88.293,165.007 88.1,164.814 88.1,129.9 90.8,127.2 v1(92.6,127.2)
TDO: R77.1 X6.6 | length 9.2
  Top Layer w0.2: R77.1@108.1,119.05 108.35,119.05 110.7,121.4 113.3,121.4 114.6,120.1 X6.6@114.6,119.14 X6.6@114.6,118.9
TDO_R: R55.1 R77.2 U9.111 | length 71.3
  Top Layer w0.2: v1(89,164.3) 90.2,165.5 93.5,165.5 94,166 96.4,166 97.705,164.695 U9.111@99.765,164.695 ; v1(92.6,128.2) 101.8,128.2 104.3,125.7 104.3,124.9 104.9,124.3 106.3,124.3 107.25,123.35 R55.1@108.1,123.35 R77.2@108.1,120.95
  Bottom Layer w0.2: v1(89,164.3) 88.7,164 88.7,130.3 90.8,128.2 v1(92.6,128.2)
TMS: R69.1 X6.2 | length 22.2
  Top Layer w0.2: R69.1@98.1,119.05 98.1,118 99.3,116.8 115.9,116.8 117.14,118.04 X6.2@117.14,119.14
TMS_R: R51.1 R69.2 U9.108 | length 73.2
  Top Layer w0.2: v1@86.741,168.9 v1(86.8,168.9) 101.5,168.9 101.74,168.66 U9.108@101.74,167.67 ; v1(92.6,123.35) R51.1@98.1,123.35 R69.2@98.1,120.95
  Bottom Layer w0.2: v1@86.741,168.9 86.4,168.559 86.4,128 91.05,123.35 v1(92.6,123.35)
USBD_N: U11.15 X7.2 | length 15.6
  Top Layer w0.2: X7.2@50.8,121.741 cw(c50.459,121.741) X7.2@50.7,121.5 50.7,120.4 ccw(c50.9,120.4) 50.9,120.2 60.9,120.2 ccw(c60.9,122.7) 63.4,122.7
USBD_P: U11.14 X7.3 | length 17.6
  Top Layer w0.2: X7.3@51.35,121.5 51.35,123.55 cw(c52.2,123.55) 52.2,124.4 55.2,124.4 cw(c55.2,123.2) 56.4,123.2 56.4,122.446 ccw(c57.7,122.446) 57.7,121.146 61.1,121.146 ccw(c61.1,123) 62.954,123 62.954,123.2
USBVDD: FB1.1 X7.1 | length 5.1
  Top Layer w0.4: FB1.1@50,126.6 50.05,126.55 X7.1@50.05,121.5
USBVSS: C44.1 C45.1 FB2.1 U11.4 U11.17 U11.20 U11.24 U11.26 U11.33 X7.5 | length 15.3
  Top Layer w0.2: U11.33@62.15,126.45 U11.20@64.15,126.45
  Top Layer w0.3: v1(56.5,125.8) C44.1@56.5,126.95 ; U11.4@59.65,126.95 61.65,126.95 U11.33@61.9,126.7 ; U11.17@64.15,124.95 63.65,124.95 v1(63,125.6) 62.15,126.45 U11.33@61.9,126.7 ; U11.24@64.15,128.45 63.65,128.45 v1(63,127.8) U11.33@61.9,126.7 ; v1(66,119) FB2.1@67.98,119 ; C45.1@66.4,124.05 v1(68.25,124.05)
  other v1: 60.8,125.6 60.8,127.8
pads on no net: U1.1 U1.2 U4.2 U5.1 U5.2 U5.3 U5.4 U5.5 U5.6 U5.7 U5.8 U5.15 U5.16 U5.17 U5.18 U5.19 U5.20 U6.5 U6.6 U7.5 U7.8 U8.5 U8.8 U9.6 U9.7 U9.8 U9.12 U9.13 U9.15 U9.24 U9.30 U9.31 U9.32 U9.33 U9.35 U9.36 U9.37 U9.41 U9.54 U9.59 U9.70 U9.71 U9.72 U9.73 U9.74 U9.75 U9.76 U9.77 U9.78 U9.79 U9.80 U9.81 U9.82 U9.83 U9.84 U9.85 U9.86 U9.91 U9.92 U9.96 U9.97 U9.98 U9.99 U9.100 U9.106 U9.107 U9.113 U9.118 U9.119 U9.124 U9.125 U9.127 U9.131 U9.132 U9.139 U9.140 U9.141 U10.2 U11.3 U11.5 U11.6 U11.7 U11.8 U11.9 U11.10 U11.11 U11.12 U11.13 U11.16 U11.18 U11.21 U11.22 U11.23 U11.25 U11.27 U11.28 U11.29 U11.31 U11.32 X1. X1.14 X1.15 X1.16 X2. X2.3 X2.6 X2.7 X2.17 X2.18 X2.19 X2.20 X3. X3.5 X4. X5. X6.7 X7. X7.4
copper on no net: | length 509
  Top Layer w1: 27.2,223.2 27.2,115.9 174.1,115.9 174.1,223.9 27.3,223.9

## Dimensions
25.5,225 to 175.5,225 on Top Overlay
25.5,115 to 201.4,224.8 on Top Overlay